# Altium PCB Lower.PcbDoc
Units mm, origin at the board's own origin, x right, y up, seen from the top; angles counter-clockwise.
Board outline 60 x 40 mm, 2 copper layers (Top Layer, Bottom Layer); 63 components, 58 nets, 217 pads, 0 vias.
Unrouted connection lines stored in the file: 157.
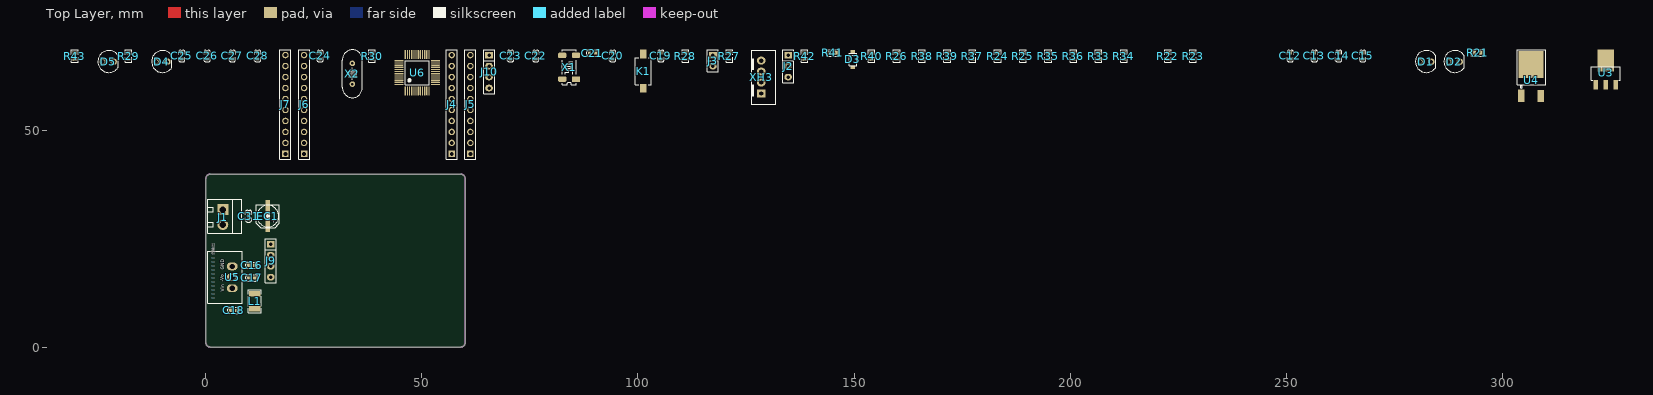
[diagram p0: Top Layer view]
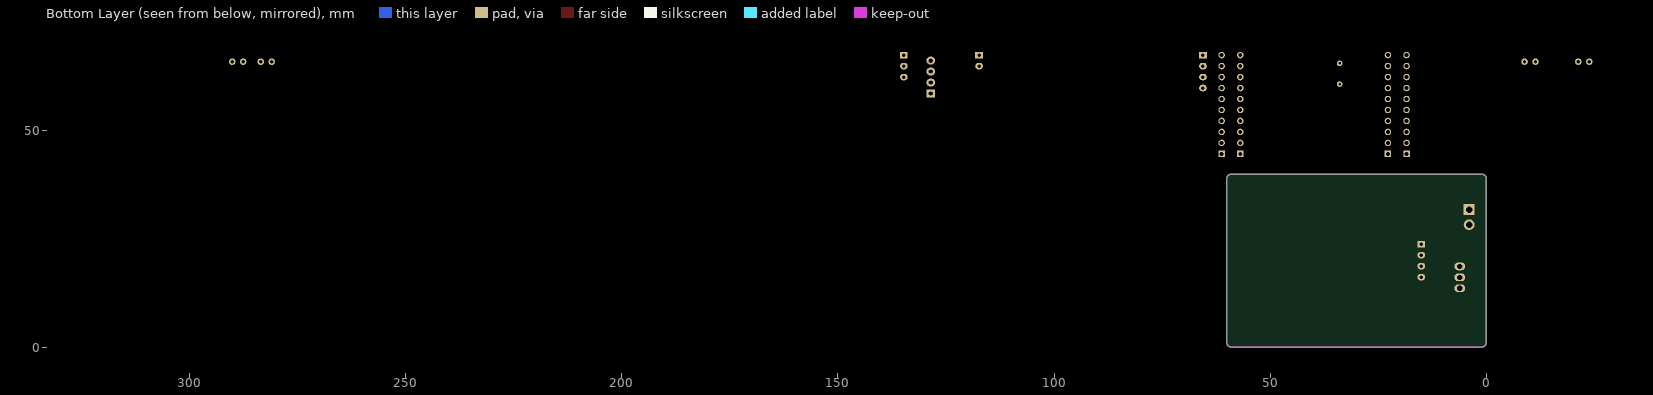
[diagram p1: Bottom Layer view, seen from below]

## Layer stack, top to bottom
Top Solder: solder mask 0.0102, Solder Resist, Dk 3.5
Top Layer: signal copper 0.0356
Dielectric 1: dielectric 0.32, FR-4, Dk 4.8
Bottom Layer: signal copper 0.0356
Bottom Solder: solder mask 0.0102, Solder Resist, Dk 3.5

## Board outline
0,1 0,39 cw(c1,39) 1,40 59,40 cw(c59,39) 60,39 60,1 cw(c59,1) 59,0 1,0 cw(c1,1)

## Design rules (kind name [scope] priority, off if disabled: settings)
Clearance [All] p1: gap=0.254 ignorepadtopadclearanceinfootprint=TRUE except(0: Arc-Hole Track-Hole SMDPad-Hole THPad-Hole Via-Hole Fill-Hole Poly-Hole Region-Hole Text-Hole; 0.381: Arc-Fill Arc-Poly Arc-Region Track-Fill Track-Poly Track-Region SMDPad-Fill SMDPad-Poly SMDPad-Region THPad-Fill THPad-Poly THPad-Region Via-Fill Via-Poly Via-Region Fill-Fill Fill-Poly Fill-Region Poly-Poly Poly-Region Region-Region)
PolygonConnect [All] p1: connectstyle=Relief reliefconductorwidth=0.254 reliefentries=4 polygonreliefangle="90 Angle" airgapwidth=0.254
RoutingVias [All] p1: holewidth=0.711 width=1.27 viastyle="Through Hole" minholewidth=0.711 minwidth=1.27 maxholewidth=0.711 maxwidth=1.27
SolderMaskExpansion [All] p1: expansion=0.102 istentingtop=FALSE
Width [All] p1: maxlimit=0.254 minlimit=0.254 preferedwidth=0.254
30 further rules are at their usual default settings.

## Components (designator, comment, footprint, x,y, rotation, side; value= is the part's Value field where it differs from the comment)
C12 "0.33uF" 0603C 250.952,66.675 r90 top
C13 "0.1uF" 0603C 256.54,66.675 r90 top
C14 "10uF" 0603C 262.128,66.675 r90 top
C15 "10uF" 0603C 267.716,66.675 r90 top
C16 "10uF/50V" 0603C 9.901,18.957 r0 top
C17 "22uF/25V" 0603C 9.901,16.011 r0 top
C18 "22uF/25V" 0603C 5.715,8.509 r0 top
C19 "0.1uF" 0603C 105.283,66.675 r90 top
C20 "1uF" 0603C 94.107,66.675 r90 top
C21 "22pF" 0603C 88.773,68.072 r0 top
C22 "22pF" 0603C 76.327,66.675 r90 top
C23 "22pF" 0603C 70.485,66.675 r90 top
C24 "22pF" 0603C 26.416,66.675 r90 top
C25 "1uF" 0603C -5.588,66.675 r90 top
C26 "1uF" 0603C 0.254,66.675 r90 top
C27 "1uF" 0603C 6.096,66.675 r90 top
C28 "1uF" 0603C 11.938,66.675 r90 top
C31 "0.1uF" 0603C 9.906,30.988 r270 top
D1 "LEDR/0805" LED5-BLUE 281.051,66.04 r0 top
D2 "LEDR/0805" LED5-BLUE 287.655,66.04 r0 top
D3 "1N4148" SOD-123 149.733,64.77 r90 top
D4 "LEDY/0805" LED5-BLUE -11.43,66.04 r0 top
D5 "LEDY/0805" LED5-BLUE -23.876,66.04 r0 top
EC1 "47uF" SMD-EC5.0X5.3X5.4 14.351,28.067 r90 top
J1 "KF350-2P" KF350-2P 3.937,31.821 r270 top
J2 "Pin HDR1X3" "Pin HDR1X3/2.54mm-S" 134.747,67.564 r0 top
J3 "Pin HDR1X2" "Pin HDR1X2/2.54mm-S" 117.348,67.564 r0 top
J4 "Pin HDR1X10" "Pin HDR1X10/2.54mm-S" 56.896,44.704 r90 top
J5 "Pin HDR1X10" "Pin HDR1X10/2.54mm-S" 61.214,44.704 r90 top
J6 "Pin HDR1X10" "Pin HDR1X10/2.54mm-S" 22.733,44.704 r90 top
J7 "Pin HDR1X10" "Pin HDR1X10/2.54mm-S" 18.415,44.704 r90 top
J9 "Pin HDR1X4" "Pin HDR1X4/2.54mm-S" 15,23.81 r0 top locked
J10 "Female HDR1X4" Fe-HDR1X4/2.54-S 65.532,67.564 r0 top
K1 "KEY" SMD-3X6X2.5 101.219,59.944 r90 top
L1 "INDUCTOR" 1210L 11.323,12.331 r270 top
R21 "30R" 0603R 293.497,68.072 r0 top
R22 "20K" 0603R 222.631,66.548 r90 top
R23 "20K" 0603R 228.473,66.548 r90 top
R24 "75K" 0603R 183.261,66.548 r90 top
R25 "75K" 0603R 189.103,66.548 r90 top
R26 "75K" 0603R 159.893,66.548 r90 top
R27 "10K" 0603R 121.158,66.548 r90 top
R28 "10K" 0603R 110.998,66.548 r90 top
R29 "510R" 0603R -17.907,66.548 r90 top
R30 "1M" 0603R 38.481,66.548 r90 top
R33 "9K" 0603R 206.629,66.548 r90 top
R34 "1K" 0603R 212.471,66.548 r90 top
R35 "0R" 0603R 194.945,66.548 r90 top
R36 "0R" 0603R 200.787,66.548 r90 top
R37 "0R" 0603R 177.419,66.548 r90 top
R38 "1K" 0603R 165.735,66.548 r90 top
R39 "1K" 0603R 171.577,66.548 r90 top
R40 "0R" 0603R 154.051,66.548 r90 top
R41 "0R" 0603R 144.272,68.072 r0 top
R42 "0R" 0603R 138.557,66.548 r90 top
R43 "510R" 0603R -30.353,66.548 r90 top
U3 "AMS1117" SOT223 323.977,60.706 r0 top
U4 "LM7805" TO252 304.546,58.166 r0 top
U5 "K78xx-500R3  负输出" "K78xx-500R3 负输出" 6.096,16.129 r90 top
U6 "STM32G431CBT6" "LQFP48 7X7" 48.895,63.5 r0 top
X1 "32.768K" "OSC MC-306" 84.074,64.77 r90 top
X2 "8M" "OSC HC-49S" 33.909,63.246 r90 top
XH3 "XH4" XH4/2.54mm/180 128.524,58.674 r90 top

## Footprints (in the part's own frame and the unit in brackets; to place one, negate y for a bottom-side part, rotate by r counter-clockwise, add the part's x,y. Pads: shape width x height; smd on the part's side, far side on the other; paste and mask are expansions set on the pad)
0603C [mil]
  rect 30x30 smd: 1(0.21,-0.35) 2(55.21,-1.35)
  silkscreen extent -26,-30 81,28, body extent -1,-15 62,17, height 12
0603R [mm]
  rect 0.8x0.965 smd: 1(0,0) 2(1.6,0)
  silkscreen extent -0.64,-0.76 2.21,0.76, body extent -0.04,-0.41 1.56,0.41, height 0.45
1210L [mm] "小功率贴片电感"
  rect 1.27x2.667 smd: 1(0.012,-0.02) 2(3.441,-0.02)
  silkscreen extent -0.94,-1.54 4.39,1.5, body extent 0,-1.25 3.2,1.25, height 1.3
Fe-HDR1X4/2.54-S [mil]
  rect 70x60 hole 32: 1(0,0)
  oval 70x60 hole 32: 2(0,-100) 3(0,-200) 4(0,-300)
  silkscreen extent -50,-350 50,50, body extent -44,-355 54,55, height 335
"K78xx-500R3 负输出" [mm]
  oval 1.8x2.5 hole 1.2: 1(-2.54,0) 2(0,0) 3(2.54,0)
  silkscreen extent -6.05,-2.37 6.05,5.63, body extent -5.76,-2.25 5.84,5.3, height 10.16
KF350-2P [mm] "可拼接端子/10A"
  rect 2.5x2.5 hole 1.5: 1(0,0)
  round 2.5 hole 1.5: 2(3.5,0)
  silkscreen extent -2.34,-3.48 5.44,4.37, body extent -2.15,-3.34 5.25,4.16, height 10
LED5-BLUE [mm]
  round 1.5 hole 0.762: A(0,0) K(2.54,0)
  silkscreen extent -1.12,-2.51 3.56,2.57, body extent -1.58,-2.85 3.77,2.85, height 8.6
"LQFP48 7X7" [mm]
  oval 0.3x2.1 smd: 1(-2.75,-4.227) 2(-2.25,-4.227) 3(-1.75,-4.227) 4(-1.25,-4.227) 5(-0.75,-4.227) 6(-0.25,-4.227) 7(0.25,-4.227) 8(0.75,-4.227) 9(1.25,-4.227) 10(1.75,-4.227) 11(2.25,-4.227) 12(2.75,-4.227) 25(2.75,4.202) 26(2.25,4.202) 27(1.75,4.202) 28(1.25,4.202) 29(0.75,4.202) 30(0.25,4.202) 31(-0.25,4.202) 32(-0.75,4.202) 33(-1.25,4.202) 34(-1.75,4.202) 35(-2.25,4.202) 36(-2.75,4.202)
  oval 2.1x0.3 smd: 13(4.227,-2.75) 14(4.227,-2.25) 15(4.227,-1.75) 16(4.227,-1.25) 17(4.227,-0.75) 18(4.227,-0.25) 19(4.227,0.25) 20(4.227,0.75) 21(4.227,1.25) 22(4.227,1.75) 23(4.227,2.25) 24(4.227,2.75) 37(-4.227,2.75) 38(-4.227,2.25) 39(-4.227,1.75) 40(-4.227,1.25) 41(-4.227,0.75) 42(-4.227,0.25) 43(-4.227,-0.25) 44(-4.227,-0.75) 45(-4.227,-1.25) 46(-4.227,-1.75) 47(-4.227,-2.25) 48(-4.227,-2.75)
  silkscreen extent -2.79,-2.79 2.79,2.79, body extent -4.51,-4.5 4.5,4.5, height 1.45
"OSC HC-49S" [mm]
  round 1.3 hole 0.6: 1(-2.4,0) 2(2.4,0)
  silkscreen extent -5.52,-2.32 5.52,2.33, body extent -5.53,-2.29 5.53,2.36, height 4.13
"OSC MC-306" [mm]
  rect 1.3x1.9 smd: 1(-2.75,-1.6)
  rrect50% 1.3x1.9 smd: 2(2.75,-1.6) 3(2.75,1.6) 4(-2.75,1.6)
  silkscreen extent -4.06,-1.65 4.06,1.65, body extent -4,-1.52 4,1.74, height 2.56
"Pin HDR1X2/2.54mm-S" [mil]
  rect 70x60 hole 32: 1(0,0)
  oval 70x60 hole 32: 2(0,-100)
  silkscreen extent -50,-150 50,50, body extent -50,-150 50,50, height 336
"Pin HDR1X3/2.54mm-S" [mil]
  rect 70x60 hole 32: 1(0,0)
  oval 70x60 hole 32: 2(0,-100) 3(0,-200)
  silkscreen extent -50,-250 50,50, body extent -50,-250 50,50, height 336
"Pin HDR1X4/2.54mm-S" [mil]
  rect 70x60 hole 32: 1(0,0)
  oval 70x60 hole 32: 2(0,-100) 3(0,-200) 4(0,-300)
  silkscreen extent -50,-350 50,50, body extent -50,-350 50,50, height 336
"Pin HDR1X10/2.54mm-S" [mm]
  rect 1.5x1.5 hole 0.9: 1(0,0)
  round 1.5 hole 0.9: 2(2.54,0) 3(5.08,0) 4(7.62,0) 5(10.16,0) 6(12.7,0) 7(15.24,0) 8(17.78,0) 9(20.32,0) 10(22.86,0)
  silkscreen extent -1.27,-1.27 24.13,1.27, body extent -1.27,-1.27 24.13,1.27, height 7.58
SMD-3X6X2.5 [mm]
  rect 2x1.5 smd: 1(-0.059,-0.02) 3(7.874,0)
  silkscreen extent 0.73,-1.9 7.03,1.9, body extent -0.19,-1.78 7.81,1.72, height 2.59
SMD-EC5.0X5.3X5.4 [mm]
  rect 3x1 smd: 1(0,0) 2(4.477,0)
  silkscreen extent -0.41,-2.65 4.89,2.66, body extent -0.79,-2.65 5.11,2.65, height 5.41
SOD-123 [mm] "塑封二极管"
  rect 0.8x1 smd: A(-0.051,0) K(3.607,0)
  silkscreen extent 0.38,-0.85 3.18,0.85, body extent -0.12,-0.89 3.73,0.81, height 1.43
SOT223 [mil]
  rect 40x90 smd: 1(-90,0) 2(0,0) 3(90,0)
  rect 150x200 smd: 2(0,220)
  silkscreen extent -130,43 130,163, body extent -130,-30 126,246, height 65
TO252 [mil] "252晶体管"
  rect 60x115 smd: 1(-4.55,0.23)
  rect 230x245 smd: 2(85,285.35)
  rect 60x110 smd: 3(173.45,-0.77)
  silkscreen extent -43,70 220,420, body extent -41,5 215,375, height 91
XH4/2.54mm/180 [mm]
  rect 1.8x2 hole 1: 1(0,0)
  oval 1.8x2 hole 1: 2(2.54,0) 3(5.08,0) 4(7.62,0)
  silkscreen extent -2.45,-3.4 10.07,2.35, body extent -2.39,-3.3 10.01,2.45, height 7

## Part data
C12 C13 C14 C15 C16 C17 C18 C19 C20 C21 C22 C23 C24 C25 C26 C27 C28 C31: library part CAP, "无极性电容"
D1 D2 D4 D5: library part LED
D3: library part DIODE, "普通二极管"
EC1: library part SMD_ECAP, "贴片电解电容"
R21 R22 R23 R24 R25 R26 R27 R28 R29 R30 R33 R34 R35 R36 R37 R38 R39 R40 R41 R42 R43: library part RES
U3: "三端稳压芯片"
X1: library part XTAL-MC-4P, "MC系列4脚晶振"
X2: library part XTAL-2P, "2脚无源脚晶振"

## Nets (pads, with @x,y where several pads share a name; then routed paths per layer and width w, separated by ;. In a path a pad name is that pad's centre, name@x,y a point inside that pad or via, vN(x,y) a via of type N, cw(c..) or ccw(c..) an arc to the next point about the centre after c; other vN are vias at no path point)
+3V3: C15.2 C19.1 C25.2 C26.2 C27.2 C28.2 D4.A D5.A J2.1 J3.2 J5.1 J7.2 J10.3 R27.1 R34.2 U3.2 U6.21 U6.24 U6.36 U6.48 XH3.1
+5V: C13.2 C14.2 U3.3 U4.3
+12V: C16.2 C31.2 D1.A EC1.1 J1.2 J9.3 R21.1 U5.1
-12V: C18.2 J9.1 L1.2 R23.2
ADC1_IN2: R40.1
ADC1_IN3: R41.1
ADC1_IN4: R42.1
BOOT0: J5.4 R28.1 U6.45
BPF_OUT: J9.4 R33.2
BV: R36.1
GND: C12.1 C13.1 C14.1 C15.1 C16.1 C17.1 C18.1 C19.2 C20.1 C21.2 C22.2 C23.2 C24.2 C25.1 C26.1 C27.1 C28.1 C31.1 D2.A EC1.2 J1.1 J2.3 J5.2 J5.9 J7.1 J9.2 J10.4 K1.1 R22.2 R38.1 R39.1 U3.1 U4.2 U5.3 U6.19 U6.23 U6.35 U6.40 U6.47 XH3.4
MCUVREF+: J3.1 J7.4 U6.20
NetC12_2: C12.2 R21.2 U4.1
NetC17_2: C17.2 L1.1 U5.2
NetD1_K: D1.K R22.1
NetD2_K: D2.K R23.1
NetD4_K: D4.K R29.1
NetD5_K: D5.K R43.1
NetJ2_2: J2.2 R28.2
NetR33_1: R33.1 R35.2 R38.2
NetR34_1: R34.1 R36.2 R39.2
OSC_IN: C23.1 R30.2 U6.5 X2.2
OSC_OUT: C24.1 R30.1 U6.6 X2.1
PA0: J4.5 R37.2 U6.8
PA1: J4.4 R40.2 U6.9
PA2: J4.3 R41.2 U6.10
PA3: J4.2 R42.2 U6.11
PA4: J4.1 U6.12
PA5: J7.10 R24.2 R25.1 U6.13
PA6: J7.9 R25.2 R37.1 U6.14
PA7: D3.K J7.5 J7.8 R26.2 U6.15 U6.18
PA8: J6.5 U6.30
PA9: J6.4 U6.31
PA10: J6.3 U6.32
PA11: J6.2 U6.33
PA12: J6.1 U6.34
PA15: J5.10 J10.2 U6.39
PB0: J7.7 U6.16
PB1: D3.A J7.6 U6.17
PB4: J5.8 U6.41
PB5: J5.7 U6.42
PB6: J5.6 U6.43
PB7: J5.5 J10.1 U6.44
PB9: J5.3 U6.46
PB10: J7.3 U6.22
PB11: J6.10 R29.2 R43.2 U6.25
PB12: J6.9 U6.26
PB13: J6.8 U6.27
PB14: J6.7 U6.28
PB15: J6.6 U6.29
PC13: J4.9 U6.2
PC14: C21.1 J4.8 U6.3 X1.4
PC15: C22.1 J4.7 U6.4 X1.1
RESET: C20.2 J4.6 K1.3 R27.2 U6.7
SPR_IN: R24.1 R26.1 R35.1
SWCLK: U6.38 XH3.3
SWDIO: U6.37 XH3.2
VBAT: J4.10 U6.1
pads on no net: X1.2 X1.3

## Keep-outs
Keep-Out Layer:
  the board outline again, w0.254

## Text inside footprints (layer, text, board x,y; h text height)
EC1: Top Overlay "+" at 16.128,28.512 h1.2 r90
U5: Top Overlay "GND" at 4.254,17.907 h0.76 r90; Top Overlay "Vin" at 4.254,12.807 h0.76 r90; Top Overlay "-Vo" at 4.191,15.113 h0.76 r90; Top Overlay "K78xx-500R3 负输出" at 2.286,10.795 h1.2 r90